# Altium PCB Terra.PcbDoc (part 2 of 7) (continued)
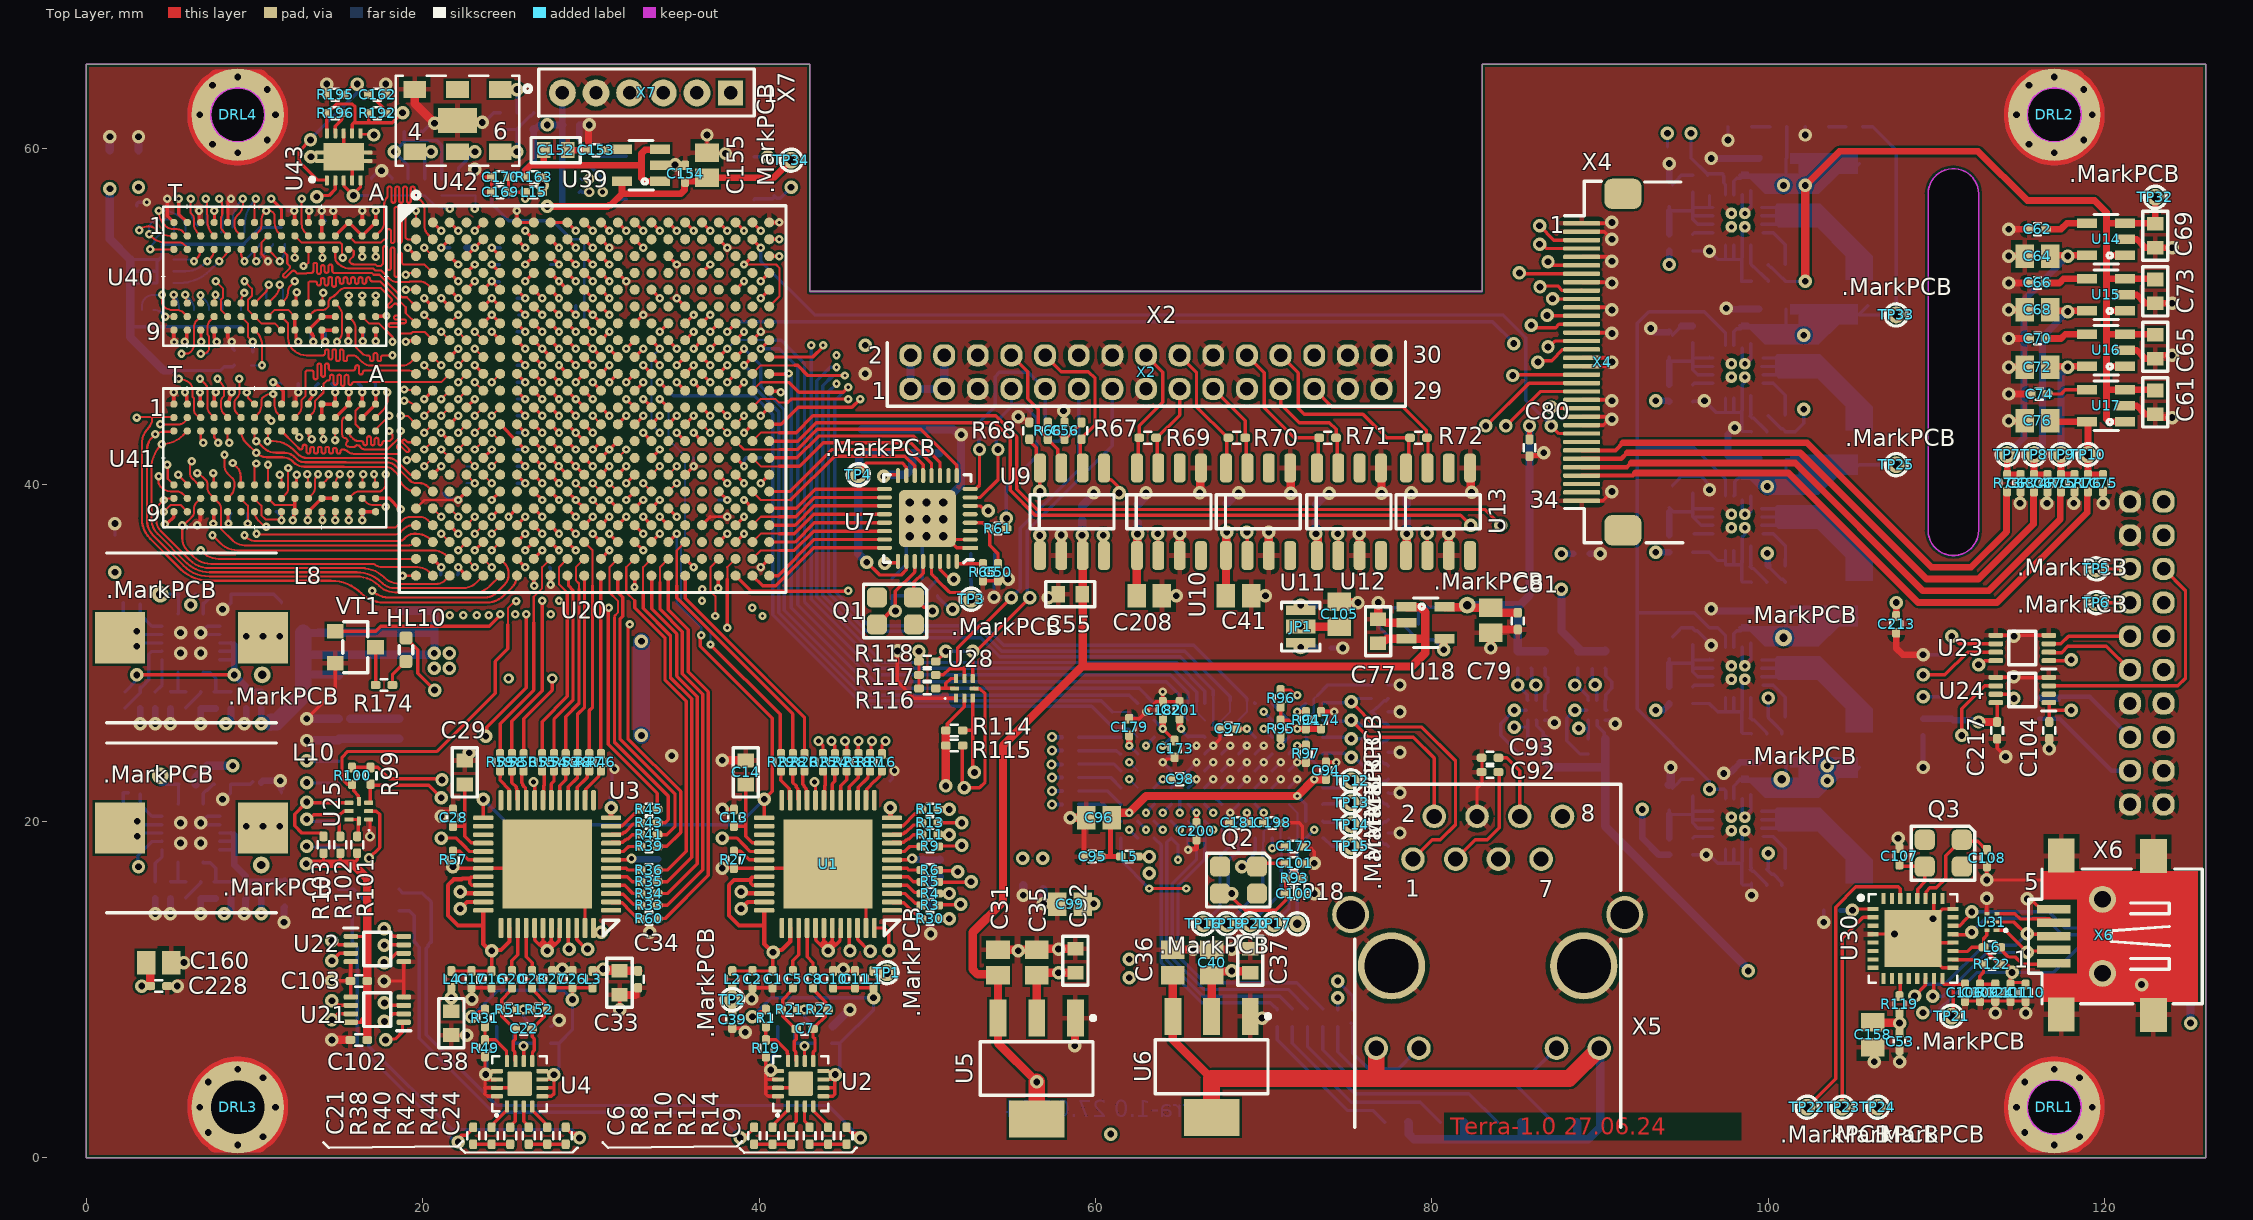
[diagram p0: Top Layer view]
## Part data (continued)
TP1 TP2 TP3 TP4 TP5 TP6 TP7 TP8 TP9 TP10 TP11 TP12 TP13 TP14 TP15 TP16 TP17 TP18 TP19 TP20 TP21 TP22 TP23 TP24 TP25 TP26 TP27 TP28 TP29 TP30 TP31 TP32 TP33 TP34: library part Test_Point, "Тестовая точка на плате"
  TP1: ClassName=ADC_POWER, MarkPCB=+3.3V
  TP2: ClassName=ADC_POWER, MarkPCB=+1.8V
  TP3 TP4: ClassName=USB-2.0, MarkPCB=+5V
  TP5: MarkPCB=OutB
  TP6: MarkPCB=OutA
  TP7: ClassName=CAM_POWER, MarkPCB=+2.8V
  TP8: ClassName=CAM_POWER, MarkPCB=+2.7V
  TP9: ClassName=CAM_POWER, MarkPCB=+1.8V
  TP10 TP11: ClassName=CAM_POWER, MarkPCB=+1.2V
  TP12 TP13 TP14 TP15 TP16: ClassName=Ethernet
  TP17: ClassName=Ethernet, MarkPCB=TCK
  TP18: ClassName=Ethernet, MarkPCB=TDI
  TP19: ClassName=Ethernet, MarkPCB=TDO
  TP20: ClassName=Ethernet, MarkPCB=TMS
  TP21: ClassName=UART_USB, MarkPCB=+3.3V
  TP22: ClassName=UART_USB, MarkPCB=RX
  TP23: ClassName=UART_USB, MarkPCB=TX
  TP24: ClassName=UART_USB, MarkPCB=GND
  TP25: ClassName=Power3.3, MarkPCB=+3.3V
  TP26: ClassName=Power1.0, MarkPCB=+1.0V
  TP27: ClassName=Power1.5, MarkPCB=+1.5V
  TP28: ClassName=Power1.0, MarkPCB=PG1
  TP29: ClassName=Power1.8, MarkPCB=+1.8V
  TP30: ClassName=Power1.8, MarkPCB=PG2
  TP31: ClassName=Power2.5, MarkPCB=+2.5V
  TP32: ClassName=Power33cam, MarkPCB=CAM-3.3V
  TP33: ClassName=Power5.0, MarkPCB=+5.0V
  TP34: MarkPCB=+1.2V
U1 U3: "АЦП 95мГц 14бит", PackageReference=VQFN48L
  U1: ClassName=ADC-1
  U3: ClassName=ADC-2
U2 U4: "6 GHz Differential Amplifier", PackageReference=LFCSP-16
  U2: ClassName=ADC-1
  U4: ClassName=ADC-2
U5: "Линейный стабилизатор +3.3V", ClassName=ADC_POWER, PackageReference=SOT223
U6: "Линейный стабилизатор 1.8V", ClassName=ADC_POWER, PackageReference=SOT223
U7: library part USB3300, "USB-2.0 driver", PackageReference=QFN32
U8 U31: library part TPD4S012DRYR, "Защитные диоды USB", PackageReference=SON6
  U8: ClassName=USB-2.0
  U31: ClassName=UART_USB
U9: library part L7805, "CAN Transceiver", ClassName="CAN BUS", PackageReference=SO8
U10 U11 U12 U13: library part MAX3078E, "RS-485 Transievers", ClassName=BiSS, PackageReference=SO8
U14: library part TPS71701, "Линейный стабилизатор +2.8В", ClassName=CAM_POWER, PackageReference=SC70-5
U15: library part TPS71701, "Линейный стабилизатор +2.7В", ClassName=CAM_POWER, PackageReference=SC70-5
U16: library part TPS71701, "Линейный стабилизатор +1.8В", ClassName=CAM_POWER, PackageReference=SC70-5
U17 U18 U39: library part TPS71701, "Линейный стабилизатор +1.2В", PackageReference=SC70-5
  U17 U18: ClassName=CAM_POWER
U19: "Integrated 10/100/1000 Ultra Gigabit Ethernet Transceiver", ClassName=Ethernet, PackageReference=QFN96
U20: "Artix-7 FPGA, 285 User I/Os, 4 GTP, 484-Ball BGA", Generic Part Number=XC7A200T, Manufacturer=Xilinx, BANK_PWR=+2.5V, Block RAM Blocks (18Kb)=730, Block RAM Blocks (36Kb)=365, Block RAM Blocks (Max Kb)=13140, CLBs (Max Distributed RAM Kb)=2888, CLBs (Slices)=33650, Clock Mgmt Tiles (CMTs)=10, Code_JEDEC=MS-034, ComponentLink1Description=Datasheet, ComponentLink1URL=http://www.xilinx.com/support/documentation/data_sheets/ds180_7Series_Overview.pdf, ComponentLink2Description="Package Specification", ComponentLink2URL=http://www.xilinx.com/support/documentation/user_guides/ug475_7Series_Pkg_Pinout.pdf, ComponentLink3Description="DC and Switching Characteristics", ComponentLink3URL=http://www.xilinx.com/support/documentation/data_sheets/ds181_Artix_7_Data_Sheet.pdf, ComponentLink4Description="Package File", ComponentLink4URL=http://www.xilinx.com/support/packagefiles/a7packages/xc7a200tfbg484pkg.txt, ComponentLink5Description="Packaging and Pinout", ComponentLink5URL=http://www.xilinx.com/support/documentation/user_guides/ug475_7Series_Pkg_Pinout.pdf, DatasheetVersion=v1.12, DSP48E1 Slices=740, Logic Cells=215360, Max User I/O=500, Mounting Technology="Surface Mount", PackageDescription="Flip-Chip Lidless BGA, Body 23 x 23 mm, 1.0 mm Pitch", PackageReference=FBG484, PackageVersion="Rev 1.8", RoHS=Pb-Free, Speed Grade=-2
U21 U22 U23 U24: "Преобразователь уровня", PackageReference=VSSOP
U25 U26 U27 U28: "Преобразователь уровня I2C", ClassName="LEVEL SHIFTER", PackageReference=QFN-10
U29: "LVDS, High Speed Differential Driver", ClassName="LEVEL SHIFTER", PackageReference=SO8
U30: library part FT232R_2, "USB to serial UART interface", ClassName=UART_USB, Device=U17, Item Num=P01-17819R, Num Pins=32, PackageReference=QFN32, Part Class=ICS
U32 U34 U36 U37 U38: "3V to 17V 3A Step-Down Converter", PackageReference=VQFN-16
  U32: ClassName=Power3.3
  U34: ClassName=Power1.5
  U36: ClassName=Power2.5
  U37: ClassName=Power33cam
  U38: ClassName=Power5.0
U33 U35: library part TPS54620, "4.5V to 17V  6A Step-down Converter", PackageReference=VQFN-14
  U33: ClassName=Power1.0
  U35: ClassName=Power1.8
U40 U41: "DDR3 SDRAM 32Meg x 16 x 8 banks", PackageReference=FBGA-96
U42: library part SiT9102, "200 MHz XO LVDS Oscillator 3.3V", ClassName=SystemCLK, PackageReference="SMD 5.0x3.2x0.75"
U43: "Sink and Source DDR Termination Regulator", ClassName="Xilinx DDR", PackageReference=VSON10
U44: "Serial NOR Flash 128Mb 3V", ClassName=Xilinx_SYS, PackageReference=MLP8
VD1: library part MSS1P3L, "Диод Шоттки 40В 0.2А", PackageReference=SOD523
VT1: library part MOSFET-N/SOT23, "MOSFET-N 1.5V порог переключения.", PackageReference=SOT23
X1: library part CON2x15, "Штыри 2x15 1.27 мм на плату"
X2: library part CON2x15, "Гнезда 2x15 2.0мм угловые на плату"
X3: library part CON2x10, "Штыри 2x10  2.0 мм на плату"
X4: library part CON2x16, "Розетка  Kyocera"
X5: "10/100 RJ45 с трансформаторами и двумя светодиодами"
X6: "5-контактная SMD розетка", ClassName=UART_USB
X7: library part CON1x6, ClassName=Xilinx_SYS

## Via types
v1: diameter 0.5/0.5/0.5/0.5/0.5/0.5 (per signal layer), hole 0.2, Top Layer to Bottom Layer, tented both sides, 471 vias
v2: diameter 0.8, hole 0.4, Top Layer to Bottom Layer, tented both sides, 402 vias
v3: diameter 0.5/0.5/0.5/0.3/0.5/0.5 (per signal layer), hole 0.2, Top Layer to Bottom Layer, tented both sides, 87 vias
v4: diameter 0.9, hole 0.4, Top Layer to Bottom Layer, 32 vias
v5: diameter 0.6, hole 0.3, Top Layer to Bottom Layer, tented both sides, 26 vias
v6: diameter 0.6/0.6/0.6/0.6/0.6/0.6 (per signal layer), hole 0.3, Top Layer to Bottom Layer, tented both sides, 3 vias
v7: diameter 0.5/0.3/0.5/0.5/0.5/0.5 (per signal layer), hole 0.2, Top Layer to Bottom Layer, tented both sides, 3 vias
v8: diameter 0.8/0.8/0.8/0.5/0.8/0.8 (per signal layer), hole 0.4, Top Layer to Bottom Layer, tented both sides, 2 vias
v9: diameter 0.8/0.8/0.8/0.8/0.8/0.8 (per signal layer), hole 0.4, Top Layer to Bottom Layer, tented both sides, 1 vias

## Nets (pads, with @x,y where several pads share a name; then routed paths per layer and width w, separated by ;. In a path a pad name is that pad's centre, name@x,y a point inside that pad or via, vN(x,y) a via of type N, cw(c..) or ccw(c..) an arc to the next point about the centre after c; other vN are vias at no path point)
1V0_PG: R131.1 TP28.1 U33.14 U35.10 | length 22.1
  Int4(Sign) w0.2: v2(3.1,17.3) 2.3,18.1 2.3,26.4 4.4,28.5 TP28.1@4.4,33.5
  Bottom Layer w0.2: v2(3.1,17.3) 3.05,17.35 3.05,17.95 3.893,18.793 4.468,18.793 U35.10@4.475,18.8 ; TP28.1@4.4,33.5 R131.1@5.5,33.5 ; U33.14@5.45,32.325 5.475,32.35 R131.1@5.475,33.475
+1.0V: C97.1 C98.1 C99.1 C122.1 C123.1 C198.1 C199.1 C200.1 C201.1 C202.1 C203.1 C204.1 C205.1 C206.1 C207.1 L8.1 R131.2 R132.2 TP26.1 U19.C6 U19.C7 U19.D7 U19.E3 U19.E7 U19.F3 U19.J3 U19.J7 U20.D6 U20.D10 U20.E8 U20.F7 U20.F9 U20.H8 U20.H10 U20.J7 U20.J9 U20.J11 U20.K8 U20.L7 U20.L11 U20.M8 U20.N7 U20.N11 U20.P8 U20.P10 U20.R7 U20.R9 U20.T8 U20.T10 | length 216.6
  Top Layer w0.2: L8.1@9.6,30 L8.1@9.7,29.9 ; v1(24.1,53.1) U20.D6@24.6,52.6 ; U20.R7@25.6,41.6 v1(26.1,41.1) ; U20.N7@25.6,43.6 v1(26.1,43.1) ; U20.L7@25.6,45.6 v1(26.1,45.1) ; U20.J7@25.6,47.6 v1(26.1,47.1) ; U20.F7@25.6,50.6 v1(26.1,50.1) ; U20.T8@26.6,40.6 v1(27.1,40.1) ; U20.P8@26.6,42.6 v1(27.1,42.1) ; U20.M8@26.6,44.6 v1(27.1,44.1) ; U20.K8@26.6,46.6 v1(27.1,46.1) ; U20.H8@26.6,48.6 U20.J9@27.6,47.6 ; U20.E8@26.6,51.6 v1(27.1,51.1) ; U20.R9@27.582,41.598 v1(28.082,41.098) 28.092,41.098 28.59,40.6 U20.T10@28.6,40.6 ; U20.F9@27.6,50.6 v1(28.1,50.1) ; U20.P10@28.6,42.6 v1(29.1,42.1) ; U20.H10@28.6,48.6 v1(29.1,48.1) ; U20.D10@28.6,52.6 v1(29.1,52.1) ; U20.N11@29.6,43.6 v1(30.1,43.1) ; U20.L11@29.6,45.6 v1(30.1,45.1) ; U20.J11@29.6,47.6 v1(30.1,47.1) ; C97.1@68.4,25.5 v1(69,25.5)
  Top Layer w0.3: C200.1@66,20 v1(66,20.5)
  Top Layer w0.4: v1@65,25.5 C201.1@65,26.1 ; C198.1@70,19.9 v1(70,20.5)
  Top Layer w0.5: C99.1@59.225,15.075 59.238,15.087 59.887,15.087 v2(59.9,15.1)
  Int1 (Sign) w0.5: v1(63,20.5) 63,21.3 ; v1(64,20.5) 64,21.5
  Int1 (Sign) w1: v2(9.5,31) v2@11.7,31 ; v2(11.5,31) 12.4,31 15.5,27.9 15.5,16.8 16.325,15.975 16.325,6.375 20.225,2.475 51.475,2.475 59.9,10.9 v2(59.9,15.1) 59.9,20 61.4,21.5 64,21.5
  Int3(PWR) w0.2: v2(8.3,25.8) v2@8.3,25.918 ; v1(27.1,40.1) v1@27.1,40.108 ; v1@27.1,42.09 v1(27.1,42.1) ; v1@28.082,41.09 v1(28.082,41.098) ; v1@28.082,41.108 v1(28.082,41.098) ; v1@28.09,41.098 v1(28.082,41.098) ; v1(28.1,50.1) v1@28.125,50.1 ; v1@29.092,42.1 v1(29.1,42.1)
  Int3(PWR) w0.3: v1(27.1,40.1) 27.6,39.6 27.6,35.75 ; 27.6,47.6 28.6,47.6 ; 28.6,48.6 28.6,49.625 ; v1(29.1,42.1) v1(30.1,43.1) ; 29.625,45.575 29.625,46.625
  Int3(PWR) w0.4: TP26.1@10.475,28.675 10.5,28.7 TP26.1@10.55,28.75 ; v1(24.1,53.1) 24.119,53.081 24.419,53.081 25,52.5 25,50.8 25.699,50.101 26.099,50.101 v1(26.1,50.1) v1(27.1,51.1) v1(28.1,50.1) 28.65,50.65 28.65,51.65 v1(29.1,52.1) ; 25.4,34.4 26.25,34.4 27.6,35.75 ; v1(26.1,41.1) v1(27.1,42.1) v1(26.1,43.1) v1(27.1,44.1) v1(26.1,45.1) v1(27.1,46.1) v1(26.1,47.1) v1(27.1,48.1) 27.6,47.6 ; v1@27.1,40.108 v1@28.082,41.09 ; v1@27.1,42.09 v1@28.082,41.108 ; v1@28.09,41.098 v1@29.092,42.1 ; v1@28.125,50.1 28.6,49.625 ; 28.6,47.6 v1(29.1,48.1) ; 28.6,48.6 v1(29.1,48.1) ; 29.625,45.575 v1(30.1,45.1) ; 29.625,46.625 v1(30.1,47.1) v1(29.1,48.1)
  Int3(PWR) w0.5: v2(6.2,32.861) 6.257,32.804 6.596,32.804 8.4,31 v2(9.5,31) ; v2(11.5,31) 13.225,32.725 18,32.725 18.75,33.475 24.475,33.475 25.4,34.4 ; v1(63,20.5) 63,21.3 ; 63,21.4 64,21.4 ; v1(64,20.5) 64,21.4 ; v1(65.103,25.501) 65.079,25.525 v1@65.025,25.525 ; v1(66,20.5) 66,21.4 ; v1(69,25.5) v1@65.025,25.5 ; v1(70,20.5) 69.1,21.4 66,21.4 ; 64,21.4 66,21.4 ; 64,21.4 v1(64,22.5) 65.025,23.525 v1@65.025,25.5 ; v1@65.025,25.5 v1@65.025,25.525 ; v1@65.025,25.5 65,25.5 v1@65.025,25.525
  Int3(PWR) w1: v2@8.3,25.918 8.3,26.5 TP26.1@10.363,28.563 ; v2(9.5,31) v2(10.5,31) ; TP26.1@10.5,28.7 v2(10.5,31) ; v2(11.5,31) v2(10.5,31)
  Bottom Layer w0.2: v2(6.2,32.861) 6.315,32.976 6.315,33.315 6.322,33.322 6.322,33.362 6.461,33.5 R131.2@6.5,33.5 ; v2(9.5,31) v2@9.5,31.2 ; C122.1@9.9,32.15 10.05,32.15 C122.1@10.2,32 ; C123.1@11.55,31.95 C123.1@11.6,32 ; v1(24.1,53.1) ccw(c24.16,53.16) 24.16,53.075 C206.1@24.55,53.075 ; C202.1@25.6,41.1 v1(26.1,41.1) ; C204.1@25.6,43.1 v1(26.1,43.1) ; C199.1@25.6,45.1 v1(26.1,45.1) ; C205.1@25.6,47.1 v1(26.1,47.1) ; C207.1@25.7,50.1 v1(26.1,50.1) ; v1(63,20.5) U19.C7@63.5,21 ; U19.C6@63.5,22 v1(64,22.5) ; v1(64,20.5) U19.D7@64.5,21 ; v1@65,25.5 U19.E3@65.5,25 65.55,25.05 66.45,25.05 U19.F3@66.5,25 ; U19.E7@65.5,21 v1(66,20.5) ; v1(69,25.5) U19.J3@69.5,25 ; U19.J7@69.5,21 v1(70,20.5)
  Bottom Layer w0.4: v2@8.4,25.9 8.6,26.1 R132.2@8.6,26.7 ; v2(9.5,31) v2(10.5,31) ; v2@9.5,31.2 C122.1@9.5,31.75 ; C122.1@9.9,31.9 10.5,31.3 v2(10.5,31) ; C122.1@10.2,32 C123.1@11.6,32 ; v2(11.5,31) v2(10.5,31) ; v2@11.55,31.05 C123.1@11.55,31.95
+1.2V: C154.1 C155.1 C183.1 C184.1 C185.1 TP34.1 U20.B5 U20.B7 U20.B9 U20.B11 U20.C4 U20.C8 U39.5 | length 32.7
  Top Layer w0.2: U20.C4@22.6,53.6 v1(23.1,54.1) U20.B5@23.6,54.6 ; U20.B7@25.6,54.6 v1(26.1,54.1) ; v1(26.1,53.1) U20.C8@26.6,53.6 ; U20.B9@27.6,54.6 v1(28.1,54.1) ; U20.B11@29.6,54.6 v1(30.1,54.1)
  Top Layer w0.4: v2(27.401,56.553) 31,56.553 31.072,56.625 31.172,56.625 31.847,57.3 ; U39.5@31.847,58.047 31.847,57.3 ; C155.1@36.8,58.25 36.593,58.043 35.64,58.043 35.6,58.003 C154.1@35.6,58 35.6,57.95 35.56,57.91 35.56,57.534 35.326,57.3 31.847,57.3 ; C155.1@36.9,58.25 40.85,58.25 TP34.1@41.9,59.3
  Int3(PWR) w0.3: 28.6,54.6 29.6,54.6
  Int3(PWR) w0.4: v1(23.1,54.1) 23.75,54.75 25.423,54.75 26.073,54.1 v1(26.1,54.1) ; v1(26.1,53.1) v1(26.1,54.1) ; v2(27.401,56.553) 27.4,56.551 27.4,54.1 ; 28.6,54.6 v1(28.1,54.1) 27.5,54.1 27.4,54.1 ; 29.6,54.6 v1(30.1,54.1) ; v1(26.1,54.1) 27.4,54.1
  Bottom Layer w0.4: C184.1@22.6,54.1 v1(23.1,54.1)
+1.5V: C128.1 C129.1 C160.1 C161.2 C190.1 C191.1 C192.1 C193.1 C219.1 C220.1 C221.1 C222.1 C223.1 C224.1 C225.1 C226.1 C227.1 C228.1 C229.1 C230.1 L9.1 R99.2 R100.2 R104.2 R105.2 R109.2 R110.2 R114.2 R115.2 R138.1 R139.1 R186.1 R187.1 TP27.1 U20.AA7 U20.AB4 U20.C1 U20.F2 U20.H6 U20.J3 U20.M4 U20.N1 U20.R5 U20.T2 U20.V6 U20.W3 U21.1 U22.8 U25.2 U26.2 U27.2 U28.2 U34.14 U40.A1 U40.A8 U40.B2 U40.C1 U40.C9 U40.D2 U40.D9 U40.E9 U40.F1 U40.G7 U40.H2 U40.H9 U40.K2 U40.K8 U40.N1 U40.N9 U40.R1 U40.R9 U41.A1 U41.A8 U41.B2 U41.C1 U41.C9 U41.D2 U41.D9 U41.E9 U41.F1 U41.G7 U41.H2 U41.H9 U41.K2 U41.K8 U41.N1 U41.N9 U41.R1 U41.R9 U43.2 | length 488.5
  Top Layer w0.12: v1(4.607,38.399) 4.964,38.764 cw(c5.05,38.68) 5.05,38.8 5.6,38.8 U41.R9@6,38.4 ; v1(9.405,52.1) 9.836,51.669 9.836,51.226 9.6,50.99 9.6,50.4 U40.K8@10,50 10.4,49.6 11.2,49.6 U40.H9@11.6,49.2 ; U41.K8@9.989,39.172 10.4,38.761 10.4,38.2 10.66,37.94 11.56,37.94 v1(11.6,37.9) ; U41.K2@10,44 10.188,44.188 ccw(c9.676,44.7) 10.4,44.7 10.4,44.99 cw(c10.665,44.99) 10.478,45.178 cw(c11.014,44.641) 10.769,45.359 cw(c11.014,44.641) 11.014,45.4 v1(11.1,45.4) ; U40.K2@10,54.8 10.259,55.059 ccw(c9.917,55.4) 10.26,55.06 ccw(c9.917,55.4) 10.4,55.4 10.4,55.7 cw(c11.124,55.7) 10.612,56.212 v1(10.7,56.3) 10.859,56.3 cw(c10.859,55.959) 11.1,56.2 cw(c10.859,55.959) 11.2,55.959 11.2,55.558 ccw(c12.064,55.558) 11.448,54.952 ccw(c12.064,55.558) 11.453,54.947 U40.H2@11.6,54.8 ; v1@11.2,45.232 11.2,44.7 ccw(c11.924,44.7) 11.412,44.188 U41.H2@11.6,44
  Top Layer w0.125: C160.1@3.55,11.6 C160.1@3.8,11.35 ; v2(17.7,13.6) v2@17.8,13.6 ; v1(18.7,44.1) 19.1,44.1 U20.N1@19.6,43.6 ; U22.8@18.864,13.161 U22.8@18.875,13.15
  Top Layer w0.2: v1(5.5,57) 5.5,56.1 U40.R1@6,55.6 ; v1@5.969,48.69 5.969,49.169 U40.R9@6,49.2 ; v1@5.979,45.31 5.979,44.821 U41.R1@6,44.8 ; v1(7.543,37.7) 7.571,37.729 7.571,38.371 U41.N9@7.6,38.4 ; U41.N1@7.6,44.8 v1@7.6,45.4 ; 7.6,48.736 U40.N9@7.6,49.2 ; U40.N1@7.6,55.6 7.62,55.62 7.62,56.28 v1(7.6,56.3) ; U40.H9@11.562,49.162 U40.H9@11.6,49.2 ; v1(11.6,37.9) U41.H9@11.6,38.4 ; U41.G7@12.4,40 12.468,40.068 12.468,40.2 12.495,40.227 12.495,40.595 v1(12.5,40.6) ; U40.G7@12.4,50.8 12.462,50.862 12.462,51.382 v1(12.52,51.44) ; U41.F1@13.2,44.8 13.268,44.868 13.268,45.068 13.423,45.223 ; U40.F1@13.2,55.6 13.22,55.62 13.22,56.28 v1(13.24,56.3) ; v2(13.7,57.12) 13.78,57.2 14.426,57.2 14.8,57.574 U43.2@14.8,58.1 ; U41.E9@14,38.4 14.021,38.379 14.021,37.921 v1(14.043,37.9) ; v1(14.2,48.5) 14.026,48.674 14.026,49.174 U40.E9@14,49.2 U40.D9@14.8,49.2 ; v1(14.8,37.9) U41.D9@14.8,38.4 ; U41.D2@14.8,44 U41.C1@15.6,44.8 v1(15.6,45.5) ; U40.D2@14.8,54.8 U40.C1@15.6,55.6 U40.B2@16.4,54.8 U40.A1@17.2,55.6 v1(17.2,56.3) ; v1(15.56,48.542) 15.58,48.562 15.58,49.18 U40.C9@15.6,49.2 ; v1(15.6,37.9) U41.C9@15.6,38.4 ; R100.2@15.8,23.2 17.325,23.2 17.995,22.53 21.07,22.53 v2(21.145,22.454) ; U41.B2@16.4,44 U41.A1@17.2,44.8 v1(17.2,45.5) ; U25.2@16.785,20.6 17.241,20.6 17.435,20.406 17.435,18.435 v5(16.8,17.8) ; U41.A8@17.2,39.2 18,39.2 18.642,38.558 v1(18.685,38.558) ; U40.A8@17.2,50 17.226,50.026 17.821,50.026 v1(17.847,50.053) ; v2(17.79,7) 17.841,7.051 18.351,7.051 18.8,7.5 18.8,8.05 U21.1@18.875,8.05 ; v2@17.8,13.6 18.239,13.161 U22.8@18.864,13.161 ; v1(19.1,54.1) U20.C1@19.6,53.6 ; v1(20.1,51.1) U20.F2@20.6,50.6 ; U20.T2@20.6,40.6 v1(21.1,41.1) ; U20.W3@21.6,37.6 v1(22.1,37.1) ; U20.J3@21.6,47.6 v1(22.1,48.1) ; v1(22.1,35.1) U20.AB4@22.6,34.6 ; U20.M4@22.6,44.6 v1(23.1,45.1) ; U20.R5@23.6,41.6 v1(24.1,42.1) ; v1(24.1,38.1) U20.V6@24.6,38.6 ; v1(24.1,49.1) U20.H6@24.6,48.6 ; U20.AA7@25.6,35.6 v1(26.1,35.1) ; R114.2@51.1,25.4 51.192,25.492 51.192,25.792 52.2,26.8 U28.2@52.2,27.315 ; v2@99.9,18.1 v2(100,18.1)
  Top Layer w0.5: C228.1@3.8,10.2 C160.1@3.8,11.15 ; v2(51.1,22.1) R115.2@51.1,24.5 R114.2@51.1,25.4
  Int3(PWR) w0.2: v1(7.543,37.7) 8.425,36.817 8.425,36.25 8.6,36.075 ; v1@9.403,52.098 v1(9.405,52.1) ; v1@17.795,50 v1(17.847,50.053) ; 18.6,36.075 18.685,36.16 ; 18.685,37.776 18.721,37.74
  Int3(PWR) w0.3: v1(22.1,48.1) 22.6,47.6 24.975,47.6 ; 22.58,37.58 23.58,37.58
  Int3(PWR) w0.4: 17.3,44.7 18.1,44.7 v1(18.7,44.1) ; 21.075,36.075 v1(22.1,37.1) 22.58,37.58 ; 21.187,36.013 v1(22.1,35.1) 22.675,34.525 24.425,34.525 25,35.1 v1(26.1,35.1) ; 23.58,37.58 v1(24.1,38.1)
  Int3(PWR) w0.45: v1(13.24,56.3) 13.25,56.31 13.25,56.45 13.359,56.559 v2@13.596,56.796 ; v2(13.7,57.12) 13.7,58.1 14.6,59 14.6,60.3 16.1,61.8 17.7,61.8 18.3,61.2 v2@18.3,60.09 ; v1@17.9,50 17.9,54.2 17.21,54.89 17.21,56.29 v1(17.2,56.3) 18.305,57.405 18.305,59.795 v2(18.3,59.8) ; v1(19.1,54.1) 20.1,53.1
  Int3(PWR) w0.5: 3.55,34.9 3.55,37.8 4.149,38.399 v1(4.607,38.399) ; v1(5.5,57) 5.5,56.3 6.2,55.6 8.6,55.6 ; v1(5.86,48.5) 5.86,48.96 6.2,49.3 7.8,49.3 ; v1(5.865,45.5) 5.865,45.135 6.2,44.8 9.4,44.8 ; 7.6,55.6 v1(7.6,56.3) ; 7.715,44.825 v1@7.715,45.525 ; v1(7.755,48.5) 7.8,48.545 7.8,49.3 ; 8.645,52.1 v1@9.4,52.1 ; v1(10.7,56.3) 10,55.6 8.6,55.6 ; v1(11.1,45.4) 11.1,44.8 ; 11.6,36.075 v1(11.6,37.9) 11.6,38.3 9.4,40.5 9.4,44.8 ; v1(12.5,40.6) 12.5,40.075 14.043,38.532 v1(14.043,37.9) ; v1(12.52,51.44) 14.2,49.76 v1(14.2,48.5) 14.2,47 13.5,46.3 13.5,45.52 v1(13.48,45.5) 13.48,45.12 13.9,44.7 15.6,44.7 ; 14.05,36.075 v1@14.05,37.9 ; 14.8,36.075 v1(14.8,37.9) ; v1(15.56,48.542) 15.56,49.26 16.3,50 v1@17.795,50 ; 15.6,36.075 v1@15.6,37.875 ; 15.6,44.8 v1(15.6,45.5) v1@15.6,48.5 ; v5(16.8,17.8) 19.2,17.8 ; 17.2,44.7 15.6,44.7 ; 17.2,44.8 v1(17.2,45.5) ; v2(17.7,13.6) 19.2,13.6 ; v2(17.79,7) 19.2,7 ; v1@17.9,50 19,50 v1(20.1,51.1) 20.1,53.1 ; 18.612,40.888 15.6,43.9 15.6,44.7 ; 18.685,40.815 18.685,39.6 ; 18.721,37.74 18.721,38.522 v1(18.685,38.558) 18.685,39.6 ; v1(21.1,41.1) 21.1,40.45 20.25,39.6 18.685,39.6 ; v1(23.1,45.1) 24.975,45.1 ; 23.825,22.475 27.5,26.15 47.092,26.15 51.1,22.142 v2(51.1,22.1) ; v1(24.1,38.1) 24.975,38.975 24.975,45.1 ; v1(24.1,42.1) 24.75,42.1 ; v1(24.1,49.1) 24.975,48.225 24.975,47.6 24.975,45.1 ; v2(100,18.1) 100,21.6 TP27.1@101.013,22.613 ; 7.8,49.3 8.6,49.3 ; 8.6,49.3 8.6,55.6 ; 8.6,49.3 10.4,49.3 11.9,47.8 11.9,45.093 11.607,44.8 11.1,44.8 ; 9.4,44.8 11.1,44.8
  Int3(PWR) w1: v2(3.3,10.2) 5.2,8.3 11.2,8.3 16.9,2.6 19.2,2.6 ; v2(3.3,10.2) 1.7,11.8 v2(1.7,34.8) 1.8,34.9 3.55,34.9 7.425,34.9 8.6,36.075 11.6,36.075 14.05,36.075 14.8,36.075 15.6,36.075 18.6,36.075 21.075,36.075 ; 18.685,36.16 18.685,37.776 ; 23.825,22.475 20.575,22.475 19.2,21.1 19.2,17.8 19.2,13.6 19.2,7 19.2,2.6 ; v2@98.7,11.1 90.2,2.6 19.2,2.6 ; v2@98.8,11.2 103.5,15.9 v2(103.5,22.4) v2(103.5,23.3)
  Bottom Layer w0.125: R104.2@86.646,24.954 R104.2@86.7,24.9 ; U27.2@89.8,26.015 U27.2@89.834,25.981 ; R109.2@90.246,24.954 R109.2@90.3,24.9
  Bottom Layer w0.2: C221.1@11.3,38.4 11.339,38.4 11.478,38.262 11.478,38.222 11.543,38.157 ; C225.1@13.2,55.7 13.22,55.72 13.22,56.28 v1(13.24,56.3) ; 13.622,45.723 13.622,45.862 13.761,46 C229.1@13.8,46 ; v1(14.043,37.9) 14.071,37.929 14.071,38.371 C227.1@14.1,38.4 ; v1(14.2,48.5) C192.1@14.2,49.1 ; v1@15.55,45.55 v1(15.6,45.5) ; v1(15.6,37.9) C223.1@15.6,38.4 ; C226.1@17.175,46 17.188,45.987 17.188,45.512 v1(17.2,45.5) ; C161.2@18.9,61 18.9,60.4 ; R186.1@19.125,58.2 19.125,58.975 v2(18.3,59.8) 18.9,60.4 ; R187.1@21.125,58.2 21.125,60.175 20.825,60.475 18.975,60.475 18.9,60.4 ; C190.1@22.075,34.65 ccw(c22.015,34.71) 22.1,34.71 v1(22.1,35.1) ; U26.2@86.2,26.015 86.225,25.99 86.225,25.675 86.608,25.292 86.608,24.992 R104.2@86.7,24.9 ; R105.2@86.7,24 86.7,24.4 ; U27.2@89.834,25.981 89.834,25.666 90.246,25.254 R109.2@90.246,24.954 ; U34.14@97.95,21.339 97.95,22.089 98.284,22.423 C128.1@98.361,22.423 ; C128.1@98.3,22.5 100.3,22.5 100.9,21.9 ; R138.1@99.9,17.15 100.21,16.84 100.315,16.84 100.8,16.355 R139.1@100.8,16.2 ; R138.1@100,17.2 v2(100,18.1) ; TP27.1@100.8,22.5 TP27.1@100.916,22.616 ; C129.1@101.05,23.5 101.05,22.05 101.016,22.016 101.516,22.016 102.6,23.1 105.3,23.1 L9.1@105.4,23.2
  Bottom Layer w0.5: R105.2@86.7,24 86.71,23.99 86.71,23.59 87.1,23.2 90.3,23.2 ; 86.7,24.4 R104.2@86.7,24.9 ; R109.2@90.3,24.9 R110.2@90.3,24 90.3,23.2 ; v2@98.6,11.4 90.3,19.7 90.3,23.2
  other v1: 7.705,45.513
  other v2: 98.8,11.1
+1.8V: C135.1 C136.1 L10.1 L15.2 R142.2 R143.2 R163.2 TP29.1 U20.E12 U20.H12 U20.K12 U20.M12 U20.P12 U20.R11 | length 91
  Top Layer w0.2: L10.1@9.6,18.7 L10.1@9.7,18.6 ; U20.R11@29.6,41.6 v1(30.1,41.1) ; v1(30.1,42.1) U20.P12@30.6,42.6 ; U20.M12@30.6,44.6 v1(31.1,44.1) ; U20.K12@30.6,46.6 v1(31.1,47.1) ; U20.H12@30.6,48.6 v1(31.1,49.1) ; U20.E12@30.6,51.6 v1(31.1,51.1)
  Int3(PWR) w0.2: TP29.1@10.4,17.4 10.45,17.4 TP29.1@10.5,17.4 ; 28.55,34.8 28.55,34.95 28.55,36.45 ; 30.55,47.65 30.55,48.55 ; 30.55,49.65 30.55,50.55 ; 30.6,53.6 30.65,53.65 30.65,54.328 30.6,54.378 30.6,54.449 ; v1(31.1,47.1) 31.12,47.1 31.62,46.6 31.62,45.901 31.628,45.893 31.628,45.728 31.55,45.65 31.55,44.55
  Int3(PWR) w0.3: v2(27.1,57.8) 28.3,57.8 30.6,55.5 30.6,54.449 ; 28.55,36.45 28.6,36.5 28.6,40.325 28.875,40.6 29.6,40.6 v1(30.1,41.1) ; v1(30.1,42.1) 30.138,42.138 30.313,42.138 31.1,42.925 v1(31.1,44.1) 31.55,44.55 ; 30.55,47.65 v1(31.1,47.1) ; 30.55,48.55 v1(31.1,49.1) 30.55,49.65 ; 30.55,50.55 v1(31.1,51.1) 30.6,51.6 30.6,53.6
  Int3(PWR) w0.4: v2@10.45,19.65 v2(10.5,19.7) ; v1(30.1,41.1) v1(30.1,42.1)
  Int3(PWR) w0.5: v2(8.2,14.5) 8.257,14.443 8.257,14.043 9.4,12.9 12.2,12.9 12.8,13.5 12.8,15.1 TP29.1@10.5,17.4 ; v2(8.7,23.3) 10.1,23.3 10.3,23.1 ; 28.55,34.95 29.6,33.9
  Int3(PWR) w1: v2(9.5,19.7) 10.4,19.7 10.4,23.1 11.8,24.5 11.8,26.7 16.3,31.2 28.25,31.2 29.6,32.55 29.6,33.9 ; TP29.1@10.45,17.4 v2@10.45,19.65 ; v2(10.5,19.7) v2(11.5,19.7)
  Bottom Layer w0.2: v2(9.5,19.7) v2@9.5,19.9 ; C135.1@9.5,20.45 C135.1@9.9,20.85 10.05,20.85 C135.1@10.2,20.7 ; v2(11.5,19.7) v2@11.55,19.75 ; C136.1@11.55,20.65 C136.1@11.6,20.7
  Bottom Layer w0.4: v2@8.4,14.6 8.6,14.8 R143.2@8.6,15.4 ; v2(9.5,19.7) v2(10.5,19.7) ; v2@9.5,19.9 C135.1@9.5,20.45 ; C135.1@9.9,20.6 10.5,20 v2(10.5,19.7) ; C135.1@10.2,20.7 C136.1@11.6,20.7 ; v2(11.5,19.7) v2(10.5,19.7) ; v2@11.55,19.75 C136.1@11.55,20.65
  Bottom Layer w0.5: R142.2@6.5,22.2 6.5,22.6 7.2,23.3 v2(8.7,23.3)
+1.8VA: C37.1 C38.1 C39.1 C40.1 L2.1 L4.1 TP2.1 U6.2 | length 59.1
  Top Layer w0.2: C38.1@21.7,8.711 L4.1@21.7,9.817 ; v2(21.7,9.5) L4.1@21.7,9.817 ; L4.1@21.7,10.1 L4.1@21.7,9.817 ; C39.1@38.4,8.7 L2.1@38.4,10.1 TP2.1@38.4,9.4
  Top Layer w0.5: U6.2@66.9,8.4 C40.1@66.9,10.95 ; C40.1@67.039,11.089 C37.1@69.2,11.089
  Int3(PWR) w0.5: v2(21.7,9.5) 22.527,10.327 38.4,10.327 ; TP2.1@38.4,9.4 38.4,10.327 ; 46.95,7.625 42.475,7.625 41.4,8.7 41.4,9.1 40.173,10.327 38.4,10.327
  Int3(PWR) w1: 46.95,7.625 48.208,8.883 65.983,8.883 v2@68.2,11.1
  other v2: 68.1,11.1
+2.5V: C3.1 C4.1 C18.1 C19.1 C36.1 C140.1 C141.1 C171.1 C172.1 C173.1 C174.1 C175.1 C176.1 C177.1 C178.1 C179.1 C180.1 C181.1 C182.1 HL1.1 HL2.1 HL3.1 HL4.1 JP1.1 L5.1 L11.1 R94.1 R95.1 R96.1 R148.1 R149.1 TP31.1 U1.7 U1.12 U1.20 U3.7 U3.12 U3.20 U6.3 U6.4 U19.B4 U19.B9 U19.C2 U19.D8 U19.F7 U19.F8 U19.J8 U19.K1 U19.K9 U19.L2 U20.AA17 U20.AB14 U20.G19 U20.H16 U20.J13 U20.K20 U20.L17 U20.N21 U20.V16 U20.W13 U20.Y10 U36.14 X5.9 X5.12 | length 306.9
  Top Layer w0.2: U3.20@26.65,21.25 v5@26.65,22.4 ; U20.Y10@28.6,36.6 v1(29.1,36.1) ; v1(31.1,48.1) U20.J13@31.6,47.6 ; U3.7@31.2,17.7 32.32,17.7 v5(32.4,17.78) ; U20.W13@31.6,37.6 v1(32.1,38.1) ; U20.AB14@32.581,34.6 32.595,34.586 32.595,33.927 v1(32.59,33.922) ; U20.V16@34.6,38.6 v1(35.1,38.1) ; U20.H16@34.6,48.6 v1(35.1,48.1) ; v1(35.1,46.1) U20.L17@35.6,45.6 ; U20.AA17@35.6,35.6 v1(36.1,35.1) ; v1(37.1,49.1) U20.G19@37.6,49.6 ; v1(38.1,46.1) U20.K20@38.6,46.6 ; v1(39.1,43.1) U20.N21@39.6,43.6 ; v5(43.29,22.343) 43.29,22.365 43.3,22.375 43.35,22.325 U1.20@43.35,21.25 ; U1.7@47.9,17.7 49.02,17.7 v5(49.1,17.78) ; v1(64,25.5) 64.522,24.978 64.662,24.978 64.8,24.839 C173.1@64.8,24.8 ; v1@70.7,18.4 C172.1@71.3,18.4 ; R96.1@71,26.8 R95.1@71,26 71.5,26 v1(72,25.5)
  Top Layer w0.3: U3.12@31.2,20.21 v2(31.2,20.8) ; U1.12@47.8,20.21 v2(47.8,20.8) ; L5.1@62.55,17.9 v2(63.2,17.9)
  Top Layer w0.4: v1(62,24.5) C179.1@62,25.1 ; v1(64,25.5) C182.1@64,26.1 ; C181.1@69,19.9 v1(69,20.5) ; v1(72,25.5) R94.1@72.4,25.5 ; R94.1@72.5,25.5 C174.1@73.4,25.5
  Top Layer w0.5: C36.1@64.6,10.85 U6.3@64.6,8.4 64.6,7 66.9,4.7
  Top Layer w1: U6.4@66.9,2.5 66.9,4.7 76.685,4.7 ; X5.9@76.685,6.5 76.685,4.7 ; X5.12@89.945,6.5 88.145,4.7 76.685,4.7
  Int3(PWR) w0.3: v1(31.1,48.1) 32,49 32.9,49 33.489,49.589 35.1,49.589 ; v1@35.15,46.05 35.6,46.5 35.6,47.6 v1(35.1,48.1) 35.1,49.589 ; v1(37.1,49.1) 36.611,49.589 35.1,49.589
  Int3(PWR) w0.5: v5(26.59,22.343) 26.59,22.413 26.602,22.425 v5@26.627,22.4 ; v1(29.1,36.1) 30.1,35.1 32.1,35.1 v1(32.1,38.1) ; v1(35.1,38.1) 35.6,38.1 36.1,37.6 v1(36.1,35.1) ; v1(35.1,46.1) 35.1,45.7 35.6,45.2 38.1,45.2 ; v1(38.1,46.1) 38.1,45.2 ; 38.7,35.1 41.1,37.5 41.1,43.1 ; v1(39.1,43.1) 41.1,43.1 ; v5(49.1,17.78) 56.84,17.78 v2(56.86,17.8) 56.91,17.85 62,17.85 ; v1(62,19.5) 62,17.85 ; v1(62,24.5) 63,25.5 v1(64,25.5) 64,25.514 65.886,27.4 71.3,27.4 ; v1(67,20.5) v1(67,19.5) ; v1(69,20.5) 69,19.5 ; v1(70.5,18.4) 70.5,19.6 ; v2(72.2,30.35) 72.2,30.3 71.3,29.4 71.3,27.4 ; 74.425,16.9 74.25,17.075 74.25,19.25 73.8,19.7 73.8,20.3 73.75,20.3 ; 82.325,8.297 82.385,8.357 ; 38.1,45.2 40.2,45.2 41.1,44.3 41.1,43.1 ; 62,17.85 63.231,17.85 63.431,18.05 63.55,18.05 v1(65,19.5) v1(67,19.5) ; v1(67,19.5) 69,19.5 ; 69,19.5 70.4,19.5 70.5,19.6 ; 70.5,19.6 71.2,20.3 73.75,20.3 ; 71.3,27.4 71.3,26.2 v1(72,25.5) 73.2,24.3 73.2,23.425 73.75,22.875 73.75,20.3
  Int3(PWR) w1: v5@26.627,22.4 28.227,20.8 v2(31.2,20.8) 32.4,20.8 ; 32.1,35.1 32.1,34.412 v1(32.59,33.922) ; v5(32.4,17.78) 32.4,20.673 ; 32.4,20.775 32.414,20.775 33,21.361 33,22.2 ; v1@32.603,33.922 34.922,33.922 v1(36.1,35.1) 38.7,35.1 ; v2(33,25.1) 33,22.2 ; v2(33,30.7) 33.493,31.193 33.493,33.9 ; v2@47.775,20.825 44.825,20.825 43.05,22.6 39.175,22.6 38.775,22.2 33,22.2 ; v2(47.8,20.8) 49.1,19.5 v5(49.1,17.78) ; 74.425,16.9 76.55,16.9 77.425,16.025 82.385,16.025 ; X5.9@76.685,6.5 78.482,8.297 82.325,8.297 88.147,8.297 X5.12@89.945,6.5 ; 82.385,8.357 82.385,16.025 ; v2@99.943,27.282 95.35,22.689 95.35,20.55 93.475,18.675 91.1,18.675 88.45,16.025 82.385,16.025 ; v2@100,27.339 100,30 TP31.1@100.9,30.9
  Bottom Layer w0.2: v1(62,19.5) U19.B9@62.5,19 ; v1(62,24.5) U19.B4@62.5,24 ; U19.C2@63.5,26 v1(64,25.5) ; U19.D8@64.5,20 v1(65,19.5) ; U19.F8@66.5,20 v1(67,19.5) ; U19.F7@66.5,21 v1(67,20.5) ; v1(69,20.5) U19.J8@69.5,20 ; v1(70.5,18.4) U19.K9@70.5,19 ; U19.K1@70.5,27 U19.L2@71.5,26 v1(72,25.5) ; U36.14@97.95,30.339 97.95,31.15 98.122,31.322 98.361,31.322 C140.1@98.361,31.423 ; C140.1@98.3,31.5 100.3,31.5 TP31.1@100.9,30.9 TP31.1@101.016,31.016 ; v2(99.988,27.327) 100,27.315 R148.1@100,26.2 ; R148.1@100.025,26.125 100.31,25.84 100.315,25.84 100.8,25.355 R149.1@100.8,25.2 ; C141.1@101.05,32.5 101.05,31.05 TP31.1@101.016,31.016 ; L11.1@105.3,32.1 102.6,32.1 101.516,31.016 TP31.1@101.016,31.016
  Bottom Layer w0.3: v2(31.2,20.8) C177.1@31.2,21.4
  Bottom Layer w0.4: v5@32.44,17.74 C18.1@33.985,17.74 ; v5@49.177,17.73 C4.1@49.715,17.73 ; C4.1@49.725,17.7 C3.1@50.725,17.7 ; v2@72.24,30.31 C175.1@72.99,30.31
  Bottom Layer w0.5: v5(49.1,17.78) v5@49.127,17.78 ; v2(72.2,30.35) v2@72.24,30.31 ; C175.1@72.99,30.31 C175.1@73,30.3 ; HL3.1@78.6,2.1 78.631,2.069 78.631,1.388 78.931,1.088 81.931,1.088 ; HL2.1@81.9,2.1 81.931,2.069 81.931,1.088 ; HL4.1@85.3,2.1 85.331,2.069 85.331,1.088 ; HL1.1@88.6,2.1 88.631,2.069 88.631,1.088 ; X5.12@89.945,6.2 90,6.145 90,1.8 89.288,1.088 88.631,1.088 ; 81.931,1.088 85.331,1.088 ; 85.331,1.088 88.631,1.088
  Bottom Layer w1: v2(33,25.1) v2(33,30.7)
  other v2: 55.66,17.8